# Altium PCB RK_NVR_DEMO1_RK3588_LP4XD200P232SD8_V21_20211228_final_lint.PcbDoc (part 29 of 29)
Units mm, origin at the board's own origin, x right, y up, seen from the top; angles counter-clockwise.
Board outline 170.08 x 169.98 mm, 8 copper layers (TOP, L2-GND1, L3-POWER1, L4-S1, L5-GND2, L6-S2, L7-GND3, BOTTOM), stack 2.118 mm thick; 1650 components, 1119 nets, 6165 pads, 15417 vias.
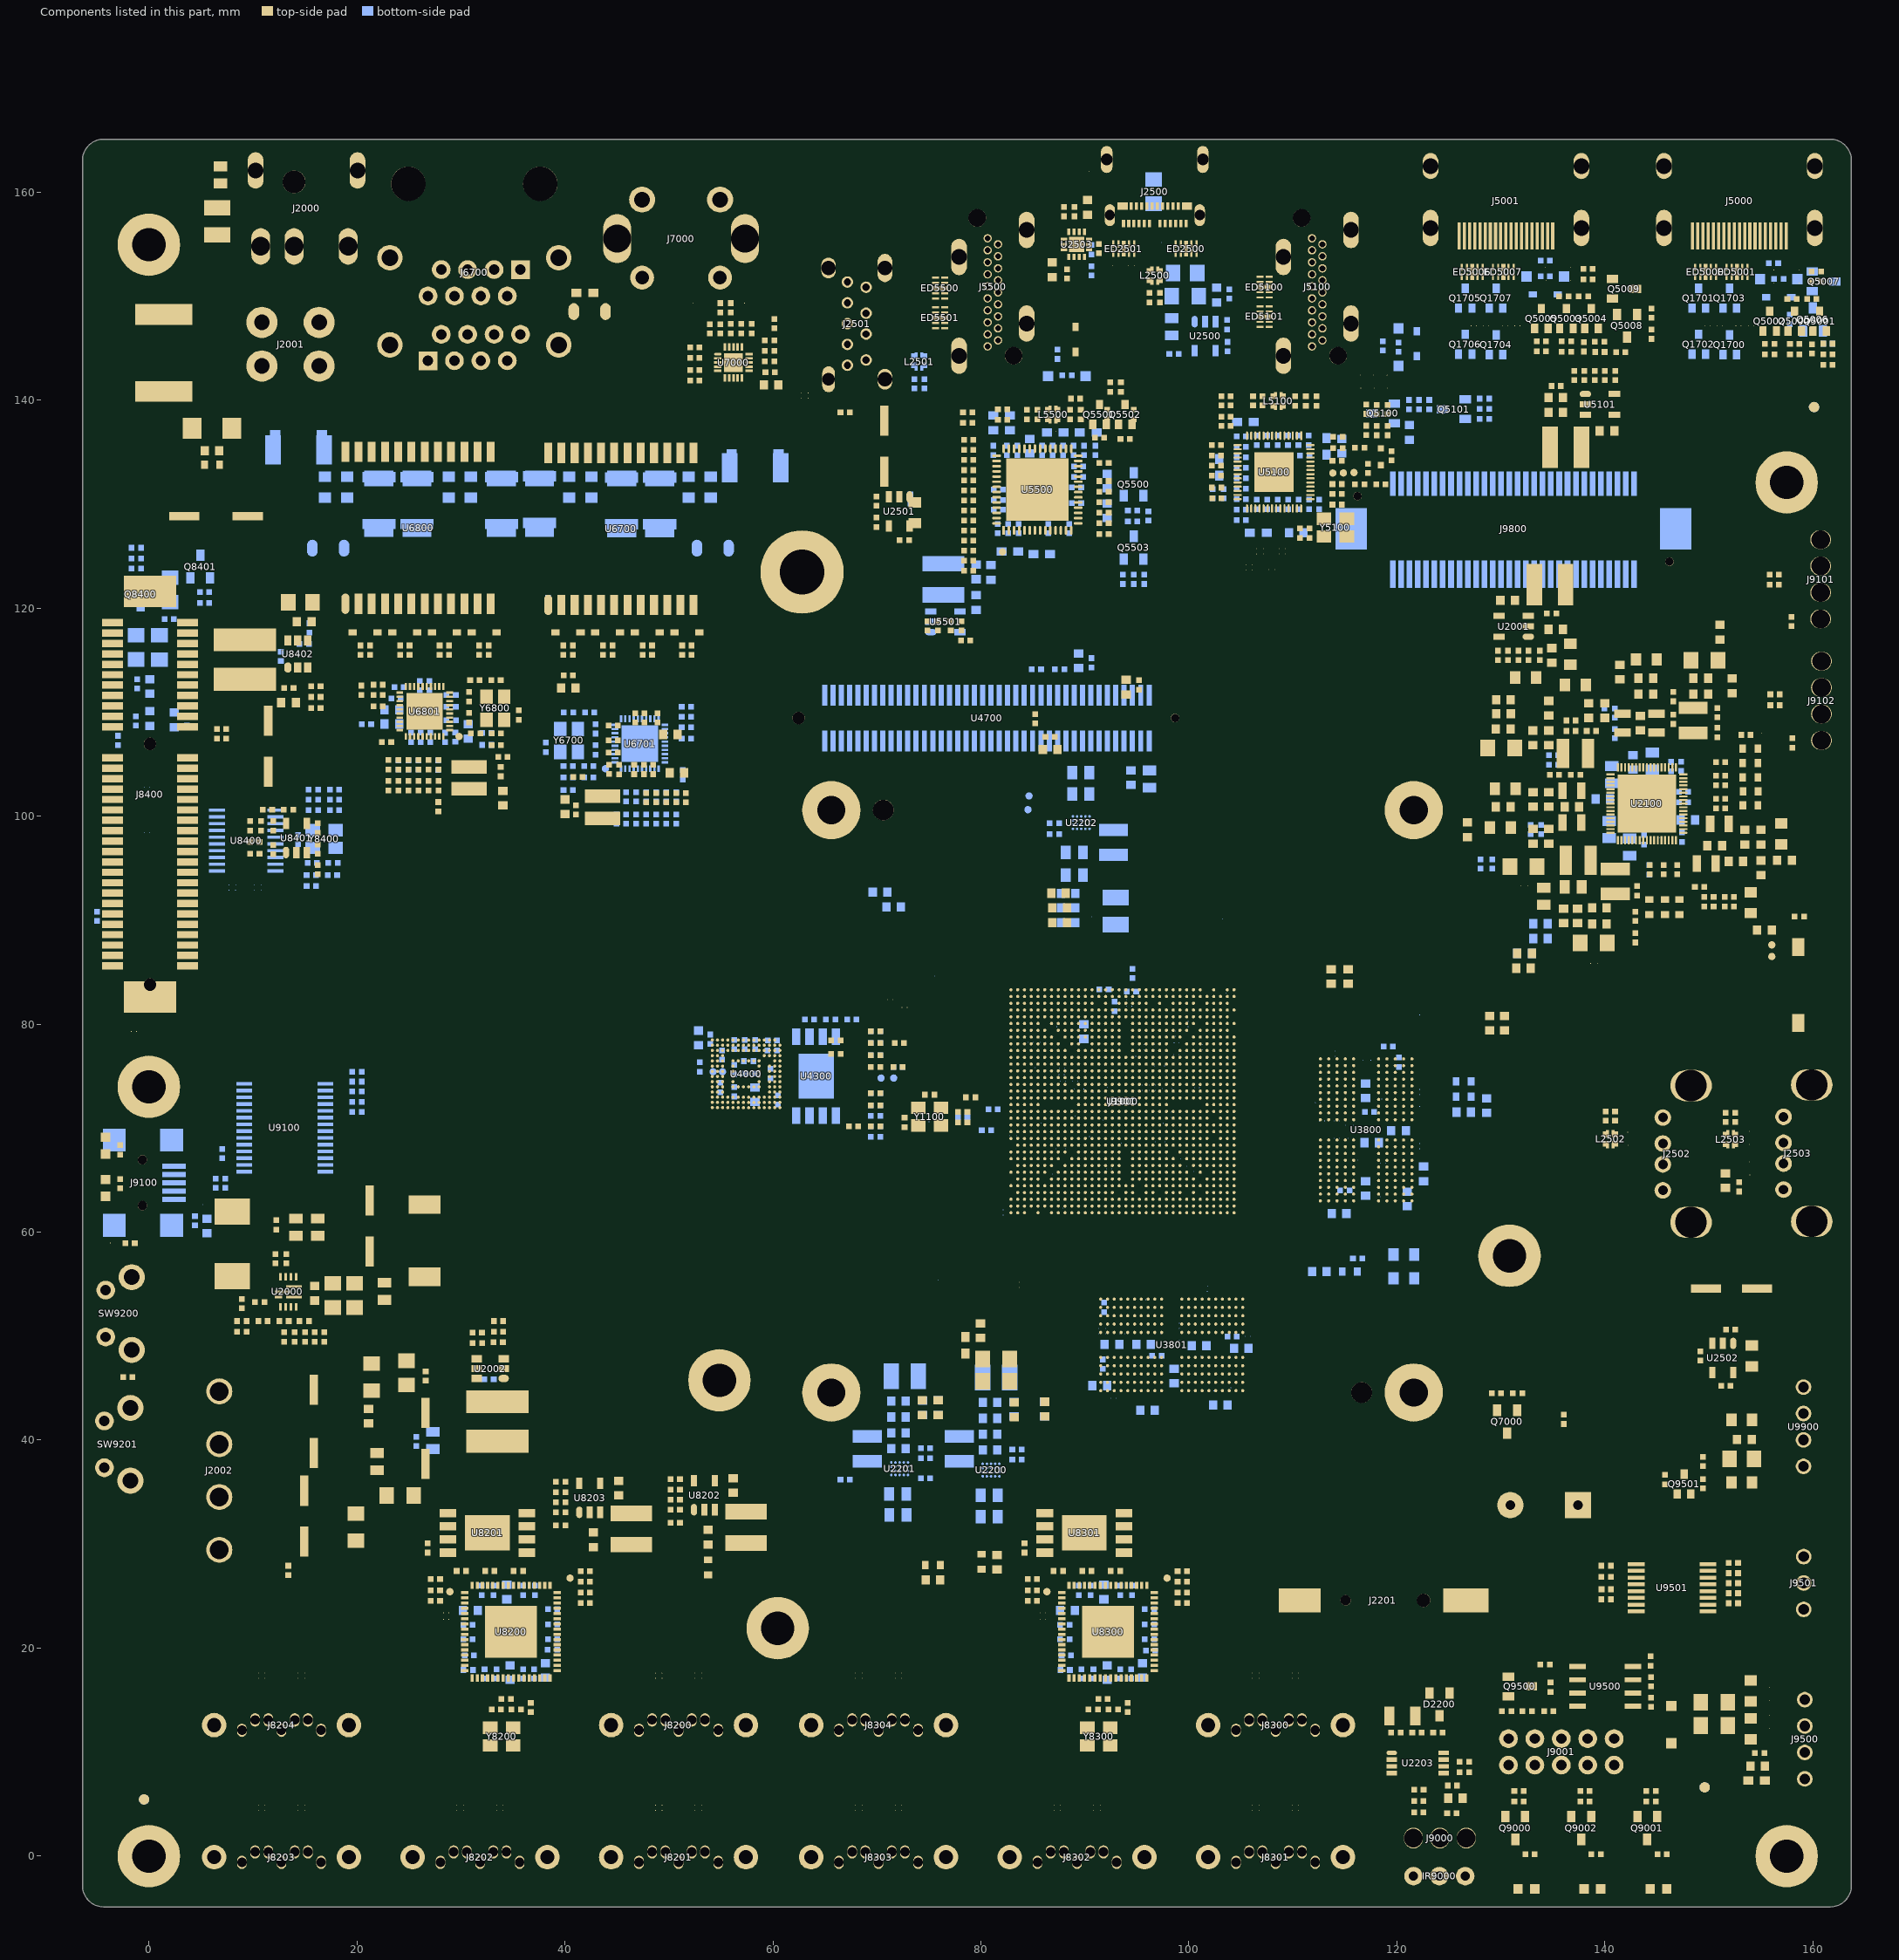
[diagram p35: the components of this part, seen from the top]

## Keep-outs (continued)
L7-GND3:
  region: 66.317,112.638 66.317,110.634 66.817,110.634 66.817,112.638
  region: 5.789,96.177 5.789,95.878 7.341,95.878 7.341,96.177
  region: 48.894,109.697 48.894,109.044 49.128,109.044 49.128,109.697
  region: -0.603,103.671 0.197,103.671 0.197,103.163 -0.603,103.163
  region: 66.317,108.236 66.317,106.232 66.817,106.232 66.817,108.236
  region: 5.789,94.872 5.789,94.572 7.341,94.572 7.341,94.872
  region: 72.926,147.401 72.926,146.762 73.564,146.762 73.564,147.401
  region: 6.161,64.535 6.161,63.984 6.71,63.984 6.71,64.535
  region: 87.931,127.929 88.734,127.929 88.734,128.129 87.931,128.129
  region: 5.786,96.825 5.786,96.525 7.338,96.525 7.338,96.825
  region: 45.694,109.697 45.694,109.044 45.927,109.044 45.927,109.697
  region: 7.443,92.729 7.443,93.529 7.951,93.529 7.951,92.729
  region: 65.518,108.237 65.518,106.233 66.019,106.233 66.019,108.237
  region: 77.517,108.24 77.517,106.236 78.018,106.236 78.018,108.24
  region: 73.273,143.63 73.273,143.079 73.825,143.079 73.825,143.63
  region: 74.291,142.292 74.291,141.742 74.843,141.742 74.843,142.292
  region: 74.183,144.578 74.183,144.072 74.484,144.072 74.484,144.578
  region: 6.158,65.423 6.158,64.872 6.707,64.872 6.707,65.423
  region: 73.633,143.325 73.633,142.819 73.933,142.819 73.933,143.325
  region: 46.892,109.697 46.892,109.044 47.126,109.044 47.126,109.697
  region: 5.789,95.525 5.789,95.225 7.341,95.225 7.341,95.525
  region: 77.517,112.639 77.517,110.635 78.018,110.635 78.018,112.639
  region: 67.919,108.235 67.919,106.231 68.419,106.231 68.419,108.235
  region: -0.603,103.036 0.197,103.036 0.197,102.528 -0.603,102.528
  region: 8.406,66.635 8.406,66.282 9.91,66.282 9.91,66.635
  region: 78.316,108.239 78.316,106.234 78.816,106.234 78.816,108.239
  region: 73.632,144.58 73.632,144.074 73.932,144.074 73.932,144.58
  region: 71.115,112.635 71.115,110.631 71.616,110.631 71.616,112.635
  region: 5.788,100.726 5.788,100.427 7.34,100.427 7.34,100.726
  region: 74.29,141.392 74.29,140.841 74.841,140.841 74.841,141.392
  region: 68.717,112.638 68.717,110.634 69.218,110.634 69.218,112.638
  region: 8.431,92.09 8.431,92.39 8.189,92.39 8.189,92.09
  region: -0.603,98.671 0.197,98.671 0.197,98.163 -0.603,98.163
  region: 75.119,112.637 75.119,110.632 75.62,110.632 75.62,112.637
  region: 7.983,102.913 7.983,103.213 7.742,103.213 7.742,102.913
  region: 10.532,92.729 10.532,93.529 11.04,93.529 11.04,92.729
  region: 8.078,92.729 8.078,93.529 8.586,93.529 8.586,92.729
  region: 72.719,112.637 72.719,110.632 73.22,110.632 73.22,112.637
  region: 68.717,108.233 68.717,106.229 69.218,106.229 69.218,108.233
  region: 71.115,108.239 71.115,106.234 71.616,106.234 71.616,108.239
  region: 75.918,112.635 75.918,110.631 76.419,110.631 76.419,112.635
  region: 70.316,112.637 70.316,110.632 70.817,110.632 70.817,112.637
  region: 74.291,144.529 74.291,143.979 74.843,143.979 74.843,144.529
  region: 75.117,108.24 75.117,106.236 75.617,106.236 75.617,108.24
  region: 10.292,92.09 10.292,92.39 10.051,92.39 10.051,92.09
  region: 65.518,112.639 65.518,110.635 66.019,110.635 66.019,112.639
  region: 72.922,149.076 72.922,148.441 73.562,148.441 73.562,149.076
  region: 8.552,102.911 8.552,103.211 8.311,103.211 8.311,102.911
  region: 75.916,108.239 75.916,106.234 76.416,106.234 76.416,108.239
  region: 73.325,142.294 73.325,141.744 73.877,141.744 73.877,142.294
  region: 74.182,143.325 74.182,142.819 74.483,142.819 74.483,143.325
  region: 5.789,100.076 5.789,99.777 7.341,99.777 7.341,100.076
  region: 73.272,144.531 73.272,143.98 73.823,143.98 73.823,144.531
  region: 72.719,108.24 72.719,106.236 73.22,106.236 73.22,108.24
  region: 47.294,109.697 47.294,109.044 47.527,109.044 47.527,109.697
  region: 7.06,64.535 7.06,63.984 7.609,63.984 7.609,64.535
  region: 73.323,141.392 73.323,140.842 73.875,140.842 73.875,141.392
  region: 78.316,112.638 78.316,110.634 78.816,110.634 78.816,112.638
  region: 8.224,101.772 8.224,102.572 8.732,102.572 8.732,101.772
  region: 7.837,92.09 7.837,92.39 7.596,92.39 7.596,92.09
  region: 70.316,108.24 70.316,106.236 70.817,106.236 70.817,108.24
  region: 48.493,109.699 48.493,109.046 48.726,109.046 48.726,109.699
  region: 4.84,65.829 4.84,65.194 5.48,65.194 5.48,65.829
  region: 8.406,65.987 8.406,65.631 9.91,65.631 9.91,65.987
  region: 1.272,65.012 1.272,64.491 3.575,64.491 3.575,65.012
  region: 67.92,112.638 67.92,110.634 68.42,110.634 68.42,112.638
  region: 4.84,64.214 4.84,63.576 5.475,63.576 5.475,64.214
  region: 73.518,108.239 73.518,106.234 74.018,106.234 74.018,108.239
  region: 45.292,109.7 45.292,109.048 45.526,109.048 45.526,109.7
  region: 74.288,143.63 74.288,143.079 74.839,143.079 74.839,143.63
  region: 7.589,101.772 7.589,102.572 8.097,102.572 8.097,101.772
  region: 47.695,109.699 47.695,109.046 47.929,109.046 47.929,109.699
  region: 73.518,112.635 73.518,110.631 74.018,110.631 74.018,112.635
  region: 46.494,109.697 46.494,109.044 46.727,109.044 46.727,109.697
  region: -0.603,98.036 0.197,98.036 0.197,97.528 -0.603,97.528
  region: 7.06,65.424 7.06,64.873 7.609,64.873 7.609,65.424
  region: 1.278,64.213 1.278,63.692 3.582,63.692 3.582,64.213
  region: 10.887,92.09 10.887,92.39 10.645,92.39 10.645,92.09
  region: 9.897,92.729 9.897,93.529 10.405,93.529 10.405,92.729
BOTTOM:
  region: 81.602,108.801 81.602,108.598 81.652,108.598 81.652,108.801
  region: 63.187,72.581 63.187,72.479 65.422,72.479 65.422,72.581
  region: 139.996,121.882 139.996,121.831 140.834,121.831 140.834,121.882
  region: 80.154,77.559 80.154,77.051 80.255,77.051 80.255,77.559
  region: 34.104,89.065 34.104,88.1 34.205,88.1 34.205,89.065
  region: 71.213,73.8 71.213,73.698 71.518,73.698 71.518,73.8
  region: 131.843,120.155 131.843,120.282 132.706,120.282 132.706,120.155
  region: 13.784,96.076 13.784,95.974 14.495,95.974 14.495,96.076
  region: 84.167,53.124 84.167,52.286 84.192,52.286 84.192,53.124
  region: 28.541,92.291 29.659,92.291 31.081,90.869 33.418,90.869 34.027,90.259 34.027,89.751 33.926,89.65 28.846,89.65 28.541,89.954
  region: 2.227,97.27 2.227,97.168 3.649,97.168 3.649,97.27
  region: 53.331,95.746 53.331,95.644 54.449,95.644 54.449,95.746
  region: 48.658,97.778 50.487,97.778 57.294,90.97 57.294,89.751 57.091,89.548 56.481,89.548 48.658,97.371
  region: 65.219,107.125 65.219,105.702 67.454,103.467 67.555,103.467 68.165,102.858 70.197,102.858 71.619,101.435 71.619,94.222 75.785,90.056 77.309,88.532 77.309,82.436 80.865,78.88 84.218,78.88 84.523,79.185 84.523,82.436 82.999,83.96 82.999,90.462 79.239,94.222 79.239,102.959 79.138,103.061 79.138,106.82 78.833,107.125
  region: 85.564,53.912 85.564,56.02 85.513,56.02 85.513,53.912
  region: 152.163,105.626 152.163,105.575 153.128,105.575 153.128,105.626
  region: 126.89,147.155 126.89,146.825 126.941,146.825 126.941,147.155
  region: 125.467,104.686 127.499,104.686 127.499,104.585 125.569,104.585
  region: 8.805,91.91 8.805,91.834 9.694,91.834 9.694,91.91
  region: 153.712,108.141 153.712,108.115 154.22,108.115 154.22,108.141
  region: 28.693,25.921 28.693,25.87 29.455,25.87 29.455,25.921
  region: 19.016,94.679 19.016,94.552 19.727,94.552 19.727,94.679
  region: 157.497,120.511 157.497,120.561 157.751,120.561 157.751,120.511
  region: 92.6,62.929 92.6,62.167 91.965,61.532 91.584,61.151 91.584,59.246 91.584,58.966 91.076,58.458 91.076,55.817 91.33,55.563 92.473,54.42 92.981,54.42 93.362,54.039 93.362,53.658 94.124,52.896 94.124,51.753 94.378,51.499 95.14,50.737 95.14,50.356 95.267,50.229 95.267,49.975 95.521,49.721 96.029,49.721 97.527,49.721 98.035,49.213 98.061,49.213 98.442,48.832 99.331,48.832 99.966,49.467 99.966,50.356 100.601,50.991 100.601,51.245 100.982,51.626 101.617,51.626 101.871,51.626 102.379,52.134 102.379,54.674 103.776,56.071 103.776,60.516 101.744,62.548 101.363,62.548 100.982,62.929 100.88,63.03 100.88,63.792 100.601,64.072 100.601,64.707 100.093,65.215 99.331,65.215 98.188,66.358 98.061,66.358 97.807,66.104 97.807,65.85 97.68,65.723 97.426,65.723 97.045,65.342 97.045,64.707 96.791,64.453 96.029,64.453 95.775,64.199 95.394,64.199 95.14,64.453 95.14,66.104 95.013,66.231 94.759,66.231 94.505,65.977 94.505,65.215 94.124,64.834 94.073,64.834 94.073,62.827 93.87,62.624 93.463,62.624 93.362,62.726 93.362,64.25 93.26,64.351 92.752,64.351 92.473,64.072 92.473,63.056
  region: 103.725,123.482 103.725,122.162 104.233,121.654 104.741,121.654 106.773,119.622 109.923,119.622 110.939,120.638 110.939,123.99 110.532,124.397 109.923,124.397 109.821,124.295 104.538,124.295
  region: 9.364,89.37 9.364,89.472 10.532,89.472 10.634,89.472 12.26,87.846 12.26,87.541 11.828,87.11 11.447,87.11 9.364,89.192
  region: 78.909,129.223 78.909,128.994 78.96,128.994 78.96,129.223
  region: 86.631,28.537 86.631,27.648 86.682,27.648 86.682,28.537
  region: 154.804,108.877 154.804,108.827 155.693,108.827 155.693,108.877
  region: 81.576,62.014 81.576,60.592 81.779,60.592 81.779,62.014
  region: 29.151,28.588 29.151,27.724 29.201,27.724 29.201,28.588
  region: 31.183,93.002 31.183,92.596 31.487,92.291 32.402,92.291 36.872,87.821 37.787,87.821 37.787,88.329 33.113,93.002
  region: 153.687,108.776 153.687,108.75 154.246,108.75 154.246,108.776
  region: 144.771,90.97 144.771,91.072 145.279,91.072 145.279,90.97
  region: 151.198,108.725 151.198,108.674 151.706,108.674 151.706,108.725
  region: 100.347,69.533 100.347,69.152 100.601,68.898 101.236,68.898 101.617,68.517 101.617,66.866 102.633,65.85 102.633,64.326 103.268,63.691 104.03,63.691 104.665,63.056 110.888,63.056 111.142,63.31 111.142,65.977 111.269,66.104 114.063,66.104 114.825,66.866 115.206,66.866 115.333,66.993 115.587,66.993 115.841,67.247 115.841,67.755 116.095,68.009 116.222,68.009 116.349,68.136 116.349,69.279 116.349,70.041 116.476,70.168 116.476,71.565 115.714,72.327 114.317,72.327 113.936,72.708 113.936,73.343 113.809,73.47 112.92,73.47 112.666,73.216 111.142,73.216 110.888,73.47 110.888,73.851 110.126,74.613 108.348,74.613 107.459,73.724 105.046,73.724 104.157,72.835 104.157,71.946 103.903,71.692 103.395,71.692 102.76,71.057 101.617,71.057 100.982,70.422 100.982,70.168
  region: 141.292,134.481 141.292,133.871 141.419,133.871 141.419,134.481
  region: 61.663,80.302 61.663,79.693 61.764,79.693 61.764,80.302
  region: 149.343,147.181 149.343,146.8 149.369,146.8 149.369,147.181
  region: 57.802,92.291 57.802,91.275 57.903,91.275 57.903,92.291
  region: 148.937,78.372 148.937,78.27 150.258,78.27 150.258,78.372
  region: 131.97,96.863 131.97,98.082 131.868,98.082 131.868,96.863
  region: 129.862,64.707 129.862,64.554 132.732,64.554 132.732,64.707
  region: 78.325,61.1 78.325,60.998 78.935,60.998 78.935,61.1
  region: 71.238,70.981 71.238,70.32 71.289,70.32 71.289,70.981
  region: 71.823,73.089 71.823,72.987 72.229,72.987 72.229,73.089
  region: 14.393,102.553 14.393,102.223 14.444,102.223 14.444,102.553
  region: 65.32,79.693 65.32,79.591 65.523,79.591 65.523,79.693
  region: 31.741,83.757 31.741,82.563 31.919,82.563 31.919,83.757
  region: 14.927,88.126 14.927,86.398 15.028,86.398 15.028,88.126
  region: 68.063,37.224 68.063,37.021 68.47,36.614 68.571,36.614 68.165,37.021 68.165,37.224
  region: 28.414,85.205 28.414,85.23 28.871,85.23 28.871,85.205
  region: 139.361,120.434 139.361,119.977 139.387,119.977 139.387,120.434
  region: 132.757,121.857 132.757,120.968 132.783,120.968 132.783,121.857
  region: 95.292,81.217 95.292,82.233 95.597,82.538 95.597,84.366 96.308,85.078 96.308,85.382 96.003,85.687 96.003,98.59 100.474,103.061 100.474,112.51 97.019,115.964 97.019,117.59 96.715,117.894 96.715,120.028 97.121,120.434 104.03,120.434 105.96,118.504 105.96,96.863 101.998,92.901 101.998,87.821 102.811,87.008 102.811,83.452 102.099,82.741 101.49,82.741 100.982,83.249 100.982,86.398 100.271,87.11 100.271,93.206 104.741,97.676 104.741,101.537 104.436,101.842 103.623,101.842 99.153,97.371 99.153,94.933 99.661,94.425 99.661,93.815 99.458,93.612 99.458,83.96 99.559,83.858 99.559,82.639 98.645,81.725 97.324,81.725 97.019,82.03 96.613,82.03 95.8,81.217
  region: 7.205,94.222 7.205,93.815 7.51,93.815 7.51,94.222
  region: 78.935,77.051 78.935,76.137 79.036,76.137 79.036,77.051
  region: 142.409,121.806 142.409,121.527 142.435,121.527 142.435,121.806
  region: 147.718,104.686 147.718,104.077 147.819,104.077 147.819,104.686
  region: 78.122,73.8 78.122,73.19 78.223,73.19 78.223,73.8
  region: 44.289,53.074 62.374,53.074 62.475,52.972 62.475,52.261 62.272,52.058 44.086,52.058 43.883,52.261 43.883,52.667
  region: 86.123,25.921 86.123,25.819 86.834,25.819 86.834,25.921
  region: 143.781,124.016 143.781,121.527 143.832,121.527 143.832,124.016
  region: 80.357,77.966 80.357,77.864 80.967,77.864 80.967,77.966
Multi-Layer:
  region: 15.436,88.554 cw(c15.06,88.491) 14.685,88.424 14.685,88.503 14.679,88.508 14.679,89.051 14.679,89.062 cw(c15.06,89.056) 15.436,88.995
  region: -1.227,102.879 cw(c-1.602,102.817) -1.978,102.75 -1.978,102.828 -1.983,102.834 -1.983,103.377 -1.983,103.387 cw(c-1.602,103.382) -1.227,103.321
  region: -1.227,97.879 cw(c-1.602,97.817) -1.978,97.75 -1.978,97.828 -1.983,97.834 -1.983,98.377 -1.983,98.387 cw(c-1.602,98.382) -1.227,98.321
  region: 12.54,86.598 cw(c12.164,86.536) 11.789,86.468 11.789,86.547 11.784,86.553 11.784,87.095 11.784,87.106 cw(c12.164,87.101) 12.54,87.039
  region: 8.402,104.942 cw(c8.465,104.566) 8.532,104.191 8.453,104.191 8.448,104.185 7.905,104.185 7.895,104.185 cw(c7.9,104.566) 7.961,104.942
  region: 11.245,87.589 cw(c10.869,87.526) 10.494,87.459 10.494,87.538 10.488,87.543 10.488,88.086 10.488,88.096 cw(c10.869,88.091) 11.245,88.03
  region: 97.757,118.45 97.732,118.577 97.66,118.684 97.553,118.756 97.426,118.781 97.299,118.756 97.263,118.732 97.191,118.684 97.12,118.577 97.094,118.45 97.12,118.323 97.191,118.215 97.263,118.168 97.299,118.144 97.426,118.118 97.553,118.144 97.66,118.215 97.732,118.323 97.757,118.45
  region: 104.666,118.901 104.641,119.028 104.569,119.135 104.461,119.207 104.335,119.232 104.208,119.207 104.172,119.183 104.1,119.135 104.028,119.028 104.003,118.901 104.028,118.774 104.1,118.667 104.172,118.619 104.208,118.595 104.335,118.569 104.461,118.595 104.569,118.667 104.641,118.774 104.666,118.901
  region: 104.666,119.403 104.641,119.529 104.569,119.637 104.461,119.709 104.335,119.734 104.208,119.709 104.172,119.685 104.1,119.637 104.028,119.529 104.003,119.403 104.028,119.276 104.1,119.168 104.172,119.12 104.208,119.096 104.335,119.071 104.461,119.096 104.569,119.168 104.641,119.276 104.666,119.403
  region: 99.945,119.215 99.92,119.342 99.848,119.45 99.74,119.521 99.613,119.547 99.487,119.521 99.451,119.497 99.379,119.45 99.307,119.342 99.282,119.215 99.307,119.088 99.379,118.981 99.451,118.933 99.487,118.909 99.613,118.884 99.74,118.909 99.848,118.981 99.92,119.088 99.945,119.215
  region: 144.67,38.85 144.67,38.24 145.787,38.24 145.787,38.85
  region: 107.197,120.231 107.171,120.358 107.1,120.466 106.992,120.537 106.865,120.563 106.738,120.537 106.702,120.513 106.631,120.466 106.559,120.358 106.534,120.231 106.559,120.104 106.631,119.997 106.702,119.949 106.738,119.925 106.865,119.9 106.992,119.925 107.1,119.997 107.171,120.104 107.197,120.231
  region: 110.045,120.333 110.02,120.46 109.948,120.567 109.84,120.639 109.713,120.664 109.586,120.639 109.55,120.615 109.479,120.567 109.407,120.46 109.382,120.333 109.407,120.206 109.479,120.098 109.55,120.051 109.586,120.026 109.713,120.001 109.84,120.026 109.948,120.098 110.02,120.206 110.045,120.333
  region: 106.292,121.857 106.266,121.984 106.195,122.091 106.087,122.163 105.96,122.188 105.833,122.163 105.797,122.139 105.726,122.091 105.654,121.984 105.629,121.857 105.654,121.73 105.726,121.623 105.797,121.575 105.833,121.551 105.96,121.526 106.087,121.551 106.195,121.623 106.266,121.73 106.292,121.857
  region: 110.254,122.187 110.229,122.314 110.157,122.421 110.049,122.493 109.923,122.518 109.796,122.493 109.76,122.469 109.688,122.421 109.616,122.314 109.591,122.187 109.616,122.06 109.688,121.953 109.76,121.905 109.796,121.881 109.923,121.855 110.049,121.881 110.157,121.953 110.229,122.06 110.254,122.187
  region: 109.752,122.187 109.727,122.314 109.655,122.421 109.548,122.493 109.421,122.518 109.294,122.493 109.258,122.469 109.187,122.421 109.115,122.314 109.089,122.187 109.115,122.06 109.187,121.953 109.258,121.905 109.294,121.881 109.421,121.855 109.548,121.881 109.655,121.953 109.727,122.06 109.752,122.187
  region: 52.011,141.161 52.417,140.754 52.519,140.653 54.246,140.653 55.465,139.434 56.227,138.672 58.564,138.672 59.834,137.402 59.834,135.065 59.834,131.509 59.834,129.68 59.834,129.07 59.834,128.562 59.631,128.359 59.123,128.359 58.513,128.359 55.262,128.359 55.16,128.258 55.16,126.734 55.16,122.873 54.83,122.543 24.604,122.543 16.451,122.543 16.247,122.746 16.247,126.734 13.098,126.734 12.691,127.14 12.691,138.316 12.691,139.434 15.028,141.77 16.146,141.77 17.263,141.77 17.975,142.482 17.975,147.968 17.924,148.019 17.924,152.896 18.076,153.048 19.6,153.048 20.108,153.556 20.108,155.994 19.245,156.858 18.889,157.214 18.889,159.855 19.295,160.262 19.6,160.262 20.108,160.262 20.311,160.262 20.819,160.77 20.819,166.358 22.445,166.358 41.698,166.358 43.781,166.358 45.407,166.358 46.219,166.358 47.337,166.358 48.658,166.358 48.658,162.294 47.337,160.973 46.219,159.855 46.219,158.636 46.727,158.128 46.727,153.353 44.594,151.219 43.959,151.219 42.435,151.219 42.257,151.041 42.257,149.898 42.867,149.898 43.375,149.39 43.375,147.866 43.781,147.46 45.711,147.46 51.198,141.974
  region: 138.574,88.507 138.574,87.237 139.336,87.237 139.336,88.507
  region: 105.79,121.857 105.765,121.984 105.693,122.091 105.585,122.163 105.459,122.188 105.332,122.163 105.296,122.139 105.224,122.091 105.152,121.984 105.127,121.857 105.152,121.73 105.224,121.623 105.296,121.575 105.332,121.551 105.459,121.526 105.585,121.551 105.693,121.623 105.765,121.73 105.79,121.857
  region: 100.447,119.215 100.421,119.342 100.35,119.45 100.242,119.521 100.115,119.547 99.988,119.521 99.952,119.497 99.881,119.45 99.809,119.342 99.784,119.215 99.809,119.088 99.881,118.981 99.952,118.933 99.988,118.909 100.115,118.884 100.242,118.909 100.35,118.981 100.421,119.088 100.447,119.215
  region: 110.457,123.397 110.432,123.523 110.36,123.631 110.253,123.703 110.126,123.728 109.999,123.703 109.963,123.679 109.891,123.631 109.82,123.523 109.794,123.397 109.82,123.27 109.891,123.162 109.963,123.114 109.999,123.09 110.126,123.065 110.253,123.09 110.36,123.162 110.432,123.27 110.457,123.397
  region: 104.657,122.568 104.631,122.695 104.56,122.802 104.452,122.874 104.325,122.899 104.198,122.874 104.162,122.85 104.091,122.802 104.019,122.695 103.994,122.568 104.019,122.441 104.091,122.334 104.162,122.286 104.198,122.262 104.325,122.236 104.452,122.262 104.56,122.334 104.631,122.441 104.657,122.568
  region: 109.543,120.333 109.518,120.46 109.446,120.567 109.338,120.639 109.212,120.664 109.085,120.639 109.049,120.615 108.977,120.567 108.905,120.46 108.88,120.333 108.905,120.206 108.977,120.098 109.049,120.051 109.085,120.026 109.212,120.001 109.338,120.026 109.446,120.098 109.518,120.206 109.543,120.333
  region: 105.158,122.568 105.133,122.695 105.061,122.802 104.954,122.874 104.827,122.899 104.7,122.874 104.664,122.85 104.592,122.802 104.521,122.695 104.495,122.568 104.521,122.441 104.592,122.334 104.664,122.286 104.7,122.262 104.827,122.236 104.954,122.262 105.061,122.334 105.133,122.441 105.158,122.568
  region: 107.698,120.231 107.673,120.358 107.601,120.466 107.494,120.537 107.367,120.563 107.24,120.537 107.204,120.513 107.132,120.466 107.061,120.358 107.035,120.231 107.061,120.104 107.132,119.997 107.204,119.949 107.24,119.925 107.367,119.9 107.494,119.925 107.601,119.997 107.673,120.104 107.698,120.231
  region: 72.229,46.774 72.229,45.555 72.94,45.555 72.94,46.774
  region: 110.457,123.898 110.432,124.025 110.36,124.133 110.253,124.204 110.126,124.23 109.999,124.204 109.963,124.18 109.891,124.133 109.82,124.025 109.794,123.898 109.82,123.771 109.891,123.664 109.963,123.616 109.999,123.592 110.126,123.567 110.253,123.592 110.36,123.664 110.432,123.771 110.457,123.898
  region: 97.757,117.948 97.732,118.075 97.66,118.183 97.553,118.254 97.426,118.28 97.299,118.254 97.263,118.23 97.191,118.183 97.12,118.075 97.094,117.948 97.12,117.821 97.191,117.714 97.263,117.666 97.299,117.642 97.426,117.617 97.553,117.642 97.66,117.714 97.732,117.821 97.757,117.948

## Other copper
TOP:
  pour cut-out: 92.256,110.825 92.184,110.825 92.169,110.841 ccw(c91.163,109.866) 92.152,110.858 90.15,112.86 cw(c90.222,112.932) 90.199,113.031 ccw(c90.111,113.424) 90.495,113.303 ccw(c90.543,113.703) 90.583,113.303 cw(c90.588,113.252) 90.639,113.258 ccw(c92.024,113.406) 91.039,112.422 92.174,111.287 cw(c91.974,111.087) 92.256,111.087
  pour cut-out: 115.905,111.953 cw(c115.865,111.984) 115.817,112 cw(c116.572,111.753) 116.01,112.314 131.149,127.453 cw(c131.404,127.198) 131.404,127.559 131.508,127.559 131.508,127.48 131.484,127.465 ccw(c132.533,125.763) 131.12,127.177 116.061,112.119 115.988,112.046 ccw(c116.742,111.29)
  pour cut-out: 89.036,116.852 89.163,116.725 cw(c88.808,116.37) 89.31,116.37 89.31,115.659 ccw(c90.772,115.659) 89.738,114.626 90.245,114.119 cw(c90.173,114.047) 90.247,113.978 ccw(c90.542,113.703) 90.158,113.824 ccw(c90.111,113.424) 89.888,113.76 cw(c89.86,113.802) 89.82,113.771 ccw(c89.501,113.526) 89.461,113.926 ccw(c88.443,113.687) 89.182,114.426 89.082,114.526 89.082,116.167 ccw(c87.157,116.167) 88.987,116.765 88.977,116.794
  pour cut-out: 108.919,125.428 108.919,124.309 cw(c108.817,124.309) 108.746,124.237 108.594,124.389 cw(c108.726,124.521) 108.539,124.521 108.539,125.636 108.57,125.649 ccw(c108.402,126.039) 108.655,125.698 ccw(c109.419,126.326) 108.719,125.628
  pour cut-out: 96.19,148.741 96.19,145.072 cw(c96.088,145.072) 96.016,145 95.868,145.149 95.868,148.741
  pour cut-out: 145.35,-3.619 144.955,-3.619 144.955,-2.543 144.356,-2.543 144.356,0.898 144.598,0.898 cw(c144.598,0.797) 144.699,0.797 ccw(c145.052,0.799) 144.708,0.722 cw(c144.609,0.7) 144.625,0.6 144.625,-0.257 145.673,-0.257 145.673,-2.543 145.35,-2.543
  pour cut-out: 110.222,97.059 cw(c110.171,97.059) 110.133,97.025 ccw(c109.82,96.746) 110.118,97.042 110.063,97.097 110.063,113.935 cw(c111.416,113.935) 110.299,114.698 cw(c110.341,114.669) 110.386,114.647 ccw(c111.859,113.931) 110.222,113.932
  pour cut-out: 99.238,100.78 99.155,100.698 cw(c99.119,100.734) 99.068,100.734 99.068,106.182 98.459,106.792 98.459,108.778 cw(c98.56,108.778) 98.577,108.878 ccw(c98.67,109.436) 99.065,109.032 cw(c99.136,108.959) 99.238,108.959
  pour cut-out: 90.602,110.826 cw(c90.53,110.754) 90.539,110.653 ccw(c90.57,110.302) 90.356,110.582 90.321,110.556 89.514,111.362 89.514,111.612 ccw(c88.4,111.607) 89.513,111.666 cw(c89.614,111.671) 89.686,111.742
BOTTOM:
  region net VDD10_PHY1: 25.417,113.475 27.576,113.475 27.703,113.348 27.703,112.84 27.525,112.662 27.333,112.662 27.333,112.672 25.549,112.672 25.549,112.662 25.468,112.662 25.29,112.84 25.29,113.348

## Silkscreen, mask and mechanical layers (free items; w line width, h text height)
Top Overlay:
  drawing of 158 lines, arcs and shapes, not listed
  text "USB3.0" at 62.374,159.754 h0.79 r90
  text "HOST2" at 63.593,159.754 h0.79 r90
  text "TYPEC0" at 104.03,156.706 h1.27 r90
  text "DC 12V" at 9.339,156.096 h1.27 r90
  text "HDMI1.4 TX" at 76.699,152.337 h1.27 r90
  text "HDMI2.0 TX" at 107.789,152.337 h1.27 r90
  text "HDMI2.1 TX1" at 121.607,151.118 h1.27 r90
  text "HDMI2.1 TX0" at 144.568,151.067 h1.27 r90
  text "Line OUT" at 52.62,150 h0.79
  text "Line IN" at 44.391,149.797 h0.79
  text "LAN1" at 21.937,147.663 h1.27 r90
  text "LAN0" at 22.547,138.214 h1.27 r90
  text "12V" at 9.237,138.113 h1.27
  text "GND" at 14.927,138.113 h1.27
  text "GND" at 159.205,125.66 h0.79 r90
  text "TCK" at 159.205,123.019 h0.79 r90
  text "TMS" at 159.205,120.58 h0.79 r90
  text "ARM_JTAG" at 163.322,119.215 h0.79 r90
  text "3V3" at 159.205,117.634 h0.79 r90
  text "1V1_NLDO" at 138.269,117.386 h0.79 r90
  text "VCC_1V8" at 143.451,116.37 h0.79 r90
  text "VDD_VDENC" at 152.899,115.354 h0.79 r90
  text "GND" at 159.205,113.976 h0.79 r90
  text "VDD2_DDR" at 139.996,111.798 h0.79 r90
  text "TCK" at 159.205,111.335 h0.79 r90
  text "3V3_PCIE" at 5.402,111.028 h0.79
  text "TMS" at 159.205,108.896 h0.79 r90
  text "MCU_JTAG" at 163.322,107.01 h0.79 r90
  text "CPU_LIT" at 122.419,106.862 h0.79
  text "3V3" at 159.205,105.95 h0.79 r90
  text "2V0_PLDO" at 127.66,100.216 h0.79 r90
  text "1V0_PHY1" at 28.541,99.344 h0.79
  text "1V0_PHY0" at 38.803,97.718 h0.79
  text "VCC_3V3" at 159.097,96.863 h0.79 r90
  text "VDD_DDR" at 129.489,92.482 h0.79 r90
  text "VDD_GPU" at 130.607,88.519 h0.79 r90
  text "VDDQ_DDR" at 153.611,83.554 h0.79 r90
  text "VDD_LOGIC" at 136.44,81.725 h0.79 r90
  text "MaskROM" at 162.551,79.286 h1.27 r90
  text "PCIE3.0x4Lanes" at 1.515,78.575 h1.27
  text "USB20 HOST1" at 147.311,76.34 h1.27
  text "USB20 OTG1" at 132.071,76.035 h1.27
  text "Only HOST" at 132.071,73.775 h1.27
  text "POWER LED" at -3.158,69.33 h1.27
  text "DEBUG LED" at -2.218,64.698 h1.27
  text "RECOVERY" at 1.871,47.079 h1.27 r90
  text "RESET" at 1.871,36.64 h1.27 r90
  text "FAN" at 157.268,32.754 h1.27
  text "3V3_SATAPM0" at 54.728,28.224 h0.79
  text "1V2_SATAPM0" at 42.79,28.021 h0.79
  text "VCC5V0_SYS" at 23.055,25.743 h0.79 r90
  text "12V" at 5.173,23.61 h1.27
  text "GND" at 5.275,21.679 h1.27
  text "SATA POWER" at 2.125,21.273 h1.27 r90
  text "GND" at 5.275,19.952 h1.27
  text "RS232" at 156.76,19.139 h1.27
  text "5V" at 5.376,18.123 h1.27
  text "SATA PM0_4" at 9.186,7.557 h0.79
  text "SATA PM0_1" at 47.108,7.557 h0.79
  text "SATA PM1_4" at 66.59,7.557 h0.79
  text "SATA PM1_1" at 104.512,7.557 h0.79
  text "RS485" at 155.541,3.188 h1.27
  text "IR" at 118.355,-1.968 h1.27
  text "Work" at 130.128,-1.968 h1.27
  text "Net" at 136.732,-1.968 h1.27
  text "HDD" at 143.235,-1.968 h1.27
  text "SATA PM0_3" at 9.186,-4.644 h0.79
  text "SATA PM0_0" at 27.957,-4.644 h0.79
  text "SATA PM0_2" at 47.108,-4.644 h0.79
  text "SATA PM1_3" at 66.59,-4.644 h0.79
  text "SATA PM1_0" at 85.361,-4.644 h0.79
  text "SATA PM1_2" at 104.512,-4.644 h0.79
Bottom Overlay:
  lines w0.127: 54.754,74.613 54.957,74.816
  text "PowrerMeterage" at 139.006,134.836 h1.27
  text "MIPI CSI RX" at 84.243,113.602 h1.27
  text "VDD NPU" at 92.447,87.516 h0.79
  text "FSPI_CLK" at 78.223,74.41 h0.79
  text "EMMC_CLK" at 54.652,73.902 h0.79
  text "FSPI" at 66.666,67.374 h1.27
  text "DEBUG" at 12.488,62.116 h1.27
  text "USB TO UART2" at 21.48,60.465 h1.27
  text "RECOVERY" at 4.259,51.346 h1.27
  text "12V" at 11.98,44.133 h1.27
  text "VDD CPU BIG1" at 69.181,41.186 h0.79 r270
  text "VDD CPU BIG0" at 77.614,41.186 h0.79 r270
  text "RESET" at 0.372,38.951 h1.27
  text "GND" at 11.98,38.85 h1.27
  text "GND" at 11.98,33.871 h1.27
  text "5V" at 10.685,28.791 h1.27
DESIGN_OUTLINE:
  the board outline again, w0.025
20210810-1DXF:
  drawing of 1449 lines, arcs and shapes, not listed
DXF_0825:
  drawing of 1428 lines, arcs and shapes, not listed
DRAWING_ORIGIN:
  lines w0.025: 81.551,82.741 82.821,82.741 ; 82.186,82.106 82.186,83.376
DETAILS:
  drawing of 12522 lines, arcs and shapes, not listed
Mechanical 255:
  drawing of 295 lines, arcs and shapes, not listed

## Text inside footprints (layer, text, board x,y; h text height)
BP7000: PIN_NUMBER "2" at 130.802,33.748 h0.25 r180; PIN_NUMBER "1" at 137.302,33.748 h0.25 r180; Top Overlay "BEEP" at 137.404,38.828 h0.69 r180; ASSEMBLY_TOP "BEEP" at 136.997,33.621 h0.25
C1000: PIN_NUMBER "2" at 104.144,91.11 h0.25 r45; PIN_NUMBER "1" at 103.154,90.12 h0.25 r45; ASSEMBLY_TOP "22uF" at 103.344,90.488 h0.25 r180
C1001: PIN_NUMBER "2" at 95.445,78.038 h0.64; PIN_NUMBER "1" at 95.445,77.538 h0.64 r180; ASSEMBLY_TOP "100nF" at 95.317,77.788 h0.25 r270
C1002: PIN_NUMBER "2" at 96.41,78.038 h0.64; PIN_NUMBER "1" at 96.41,77.538 h0.64 r180; ASSEMBLY_TOP "100nF" at 96.283,77.788 h0.25 r270
C1003: PIN_NUMBER "2" at 132.873,86.805 h0.25; PIN_NUMBER "1" at 131.473,86.805 h0.25; ASSEMBLY_TOP "22uF" at 131.868,86.678 h0.25 r180
C1004: PIN_NUMBER "2" at 97.581,75.98 h0.2; PIN_NUMBER "1" at 96.641,75.98 h0.2; ASSEMBLY_TOP "10uF" at 96.785,75.853 h0.25 r180
C1005: PIN_NUMBER "2" at 94.73,74.397 h0.2 r270; PIN_NUMBER "1" at 94.73,75.337 h0.2 r270; ASSEMBLY_TOP "10uF" at 94.53,74.867 h0.25 r270
C1006: PIN_NUMBER "2" at 94.412,76.137 h0.64 r90; PIN_NUMBER "1" at 94.912,76.137 h0.64 r270; ASSEMBLY_TOP "1uF" at 94.611,76.01 h0.25 r180
C1007: PIN_NUMBER "2" at 94.806,77.849 h0.2 r90; PIN_NUMBER "1" at 94.806,76.909 h0.2 r90; ASSEMBLY_TOP "4.7uF" at 94.505,77.379 h0.25 r270
C1010: PIN_NUMBER "2" at 92.459,70.402 h0.64 r90; PIN_NUMBER "1" at 92.959,70.402 h0.64 r270; ASSEMBLY_TOP "100nF" at 92.455,70.275 h0.25 r180
C1013: PIN_NUMBER "2" at 93.755,72.806 h0.64; PIN_NUMBER "1" at 93.755,72.305 h0.64 r180; ASSEMBLY_TOP "1uF" at 93.832,72.555 h0.25 r270
C1014: PIN_NUMBER "2" at 94.919,70.409 h0.64 r270; PIN_NUMBER "1" at 94.419,70.409 h0.64 r90; ASSEMBLY_TOP "1uF" at 94.619,70.282 h0.25 r180
C1015: PIN_NUMBER "2" at 93.448,68.559 h0.2 r270; PIN_NUMBER "1" at 93.448,69.498 h0.2 r270; ASSEMBLY_TOP "4.7uF" at 93.147,69.029 h0.25 r270
C1016: PIN_NUMBER "2" at 94.726,72.704 h0.2 r90; PIN_NUMBER "1" at 94.726,71.764 h0.2 r90; ASSEMBLY_TOP "10uF" at 94.526,72.234 h0.25 r270
C1017: PIN_NUMBER "2" at 91.631,70.776 h0.2 r90; PIN_NUMBER "1" at 91.631,69.836 h0.2 r90; ASSEMBLY_TOP "10uF" at 91.431,70.306 h0.25 r270
C1018: PIN_NUMBER "2" at 86.021,42.29 h0.25 r270; PIN_NUMBER "1" at 86.021,43.69 h0.25 r270; ASSEMBLY_TOP "22uF" at 85.843,42.99 h0.25 r270
C1019: PIN_NUMBER "2" at 83.1,42.214 h0.25 r270; PIN_NUMBER "1" at 83.1,43.614 h0.25 r270; ASSEMBLY_TOP "22uF" at 82.668,42.914 h0.25 r270
C1020: PIN_NUMBER "2" at 97.524,77.559 h0.64 r270; PIN_NUMBER "1" at 97.023,77.559 h0.64 r90; ASSEMBLY_TOP "1uF" at 97.223,77.432 h0.25 r180
C1022: PIN_NUMBER "2" at 94.919,71.031 h0.64 r270; PIN_NUMBER "1" at 94.419,71.031 h0.64 r90; ASSEMBLY_TOP "100nF" at 94.415,70.904 h0.25 r180
C1023: PIN_NUMBER "2" at 92.459,71.031 h0.64 r90; PIN_NUMBER "1" at 92.959,71.031 h0.64 r270; ASSEMBLY_TOP "1uF" at 92.658,70.904 h0.25 r180
C1024: PIN_NUMBER "2" at 88.612,67.124 h0.64 r180; PIN_NUMBER "1" at 88.612,67.624 h0.64; ASSEMBLY_TOP "100nF" at 88.485,67.374 h0.25 r270
C1025: PIN_NUMBER "2" at 88.554,69.736 h0.64 r90; PIN_NUMBER "1" at 89.054,69.736 h0.64 r270; ASSEMBLY_TOP "100nF" at 88.549,69.609 h0.25 r180
C1027: PIN_NUMBER "2" at 88.554,69.126 h0.64 r90; PIN_NUMBER "1" at 89.054,69.126 h0.64 r270; ASSEMBLY_TOP "1uF" at 88.753,68.999 h0.25 r180
C1028: PIN_NUMBER "2" at 88.554,70.346 h0.64 r90; PIN_NUMBER "1" at 89.054,70.346 h0.64 r270; ASSEMBLY_TOP "1uF" at 88.753,70.219 h0.25 r180
C1029: PIN_NUMBER "2" at 90.361,70.126 h0.2 r90; PIN_NUMBER "1" at 90.36,69.186 h0.2 r90; ASSEMBLY_TOP "4.7uF" at 90.06,69.656 h0.25 r270
C1030: PIN_NUMBER "2" at 90.371,67.373 h0.2; PIN_NUMBER "1" at 89.431,67.373 h0.2; ASSEMBLY_TOP "10uF" at 89.574,67.246 h0.25 r180
C1031: PIN_NUMBER "2" at 89.652,71.821 h0.2 r45; PIN_NUMBER "1" at 88.987,71.156 h0.2 r45; ASSEMBLY_TOP "10uF" at 88.993,71.362 h0.25 r180
C1032: PIN_NUMBER "2" at 75.785,42.417 h0.25 r270; PIN_NUMBER "1" at 75.785,43.817 h0.25 r270; ASSEMBLY_TOP "22uF" at 75.607,43.117 h0.25 r90
C1033: PIN_NUMBER "2" at 75.785,42.417 h0.25 r270; PIN_NUMBER "1" at 75.785,43.817 h0.25 r270; ASSEMBLY_TOP "22uF" at 75.607,43.117 h0.25 r270
C1034: PIN_NUMBER "2" at 132.997,88.227 h0.25 r180; PIN_NUMBER "1" at 134.397,88.227 h0.25 r180; ASSEMBLY_TOP "22uF" at 133.392,88.1 h0.25 r180
C1035: PIN_NUMBER "2" at 132.997,89.65 h0.25 r180; PIN_NUMBER "1" at 134.397,89.65 h0.25 r180; ASSEMBLY_TOP "22uF" at 133.392,89.523 h0.25 r180
C1036: PIN_NUMBER "2" at 93.536,74.397 h0.2 r270; PIN_NUMBER "1" at 93.536,75.337 h0.2 r270; ASSEMBLY_TOP "10uF" at 93.336,74.867 h0.25 r270
C1037: PIN_NUMBER "2" at 91.44,77.635 h0.2 r180; PIN_NUMBER "1" at 92.38,77.635 h0.2 r180; ASSEMBLY_TOP "10uF" at 91.584,77.508 h0.25 r180
C1038: PIN_NUMBER "2" at 91.059,67.374 h0.2 r180; PIN_NUMBER "1" at 91.999,67.374 h0.2 r180; ASSEMBLY_TOP "4.7uF" at 91.101,67.247 h0.25 r180
C1039: PIN_NUMBER "2" at 92.473,68.31 h0.64; PIN_NUMBER "1" at 92.473,67.809 h0.64 r180; ASSEMBLY_TOP "1uF" at 92.549,68.06 h0.25 r270
C1040: PIN_NUMBER "2" at 93.637,77.516 h0.64 r270; PIN_NUMBER "1" at 93.137,77.516 h0.64 r90; ASSEMBLY_TOP "100nF" at 93.133,77.389 h0.25 r180
C1041: PIN_NUMBER "2" at 93.625,78.143 h0.64 r270; PIN_NUMBER "1" at 93.124,78.143 h0.64 r90; ASSEMBLY_TOP "100nF" at 93.12,78.016 h0.25 r180
C1042: PIN_NUMBER "2" at 93.086,73.622 h0.64 r90; PIN_NUMBER "1" at 93.587,73.622 h0.64 r270; ASSEMBLY_TOP "1uF" at 93.286,73.495 h0.25 r180
C1043: PIN_NUMBER "2" at 98.273,73.8 h0.2; PIN_NUMBER "1" at 97.333,73.8 h0.2; ASSEMBLY_TOP "10uF" at 97.477,73.673 h0.25 r180
C1045: PIN_NUMBER "2" at 130.243,80.799 h0.25 r90; PIN_NUMBER "1" at 130.243,79.399 h0.25 r90; ASSEMBLY_TOP "22uF" at 130.065,80.099 h0.25 r90
C1046: PIN_NUMBER "2" at 128.82,80.799 h0.25 r90; PIN_NUMBER "1" at 128.82,79.399 h0.25 r90; ASSEMBLY_TOP "22uF" at 128.642,80.099 h0.25 r90
C1047: PIN_NUMBER "2" at 98.182,72.61 h0.2; PIN_NUMBER "1" at 97.243,72.61 h0.2; ASSEMBLY_TOP "10uF" at 97.386,72.483 h0.25 r180
C1048: PIN_NUMBER "2" at 95.288,74.132 h0.64; PIN_NUMBER "1" at 95.288,73.632 h0.64 r180; ASSEMBLY_TOP "1uF" at 95.364,73.882 h0.25 r270
C1049: PIN_NUMBER "2" at 96.508,74.132 h0.64; PIN_NUMBER "1" at 96.508,73.632 h0.64 r180; ASSEMBLY_TOP "100nF" at 96.381,73.882 h0.25 r270
C1050: PIN_NUMBER "2" at 95.898,74.132 h0.64; PIN_NUMBER "1" at 95.898,73.632 h0.64 r180; ASSEMBLY_TOP "100nF" at 95.771,73.882 h0.25 r270
C1051: PIN_NUMBER "2" at 91.664,68.929 h0.64 r270; PIN_NUMBER "1" at 91.163,68.929 h0.64 r90; ASSEMBLY_TOP "1uF" at 91.363,68.802 h0.25 r180
C1052: PIN_NUMBER "2" at 95.543,71.039 h0.64 r180; PIN_NUMBER "1" at 95.543,71.539 h0.64; ASSEMBLY_TOP "1uF" at 95.619,71.289 h0.25 r270
C1054: PIN_NUMBER "2" at 91.021,73.469 h0.64 r270; PIN_NUMBER "1" at 90.521,73.469 h0.64 r90; ASSEMBLY_TOP "100nF" at 90.517,73.343 h0.25 r180
C1057: PIN_NUMBER "2" at 88.875,73.763 h0.2 r180; PIN_NUMBER "1" at 89.815,73.763 h0.2 r180; ASSEMBLY_TOP "4.7uF" at 88.917,73.636 h0.25 r180
C1058: PIN_NUMBER "2" at 90.221,75.248 h0.2 r180; PIN_NUMBER "1" at 91.161,75.248 h0.2 r180; ASSEMBLY_TOP "10uF" at 90.365,75.121 h0.25 r180
C1059: PIN_NUMBER "2" at 91.491,71.946 h0.2; PIN_NUMBER "1" at 90.551,71.946 h0.2; ASSEMBLY_TOP "10uF" at 90.695,71.819 h0.25 r180
C1060: PIN_NUMBER "2" at 69.497,92.698 h0.25 r180; PIN_NUMBER "1" at 70.897,92.698 h0.25 r180; ASSEMBLY_TOP "22uF" at 69.892,92.571 h0.25 r180
C1061: PIN_NUMBER "2" at 70.818,91.275 h0.25 r180; PIN_NUMBER "1" at 72.218,91.275 h0.25 r180; ASSEMBLY_TOP "22uF" at 71.213,91.148 h0.25 r180
C1062: PIN_NUMBER "2" at 86.769,89.751 h0.25 r180; PIN_NUMBER "1" at 88.169,89.751 h0.25 r180; ASSEMBLY_TOP "22uF" at 87.164,89.624 h0.25
C1063: PIN_NUMBER "2" at 86.667,92.596 h0.25 r180; PIN_NUMBER "1" at 88.067,92.596 h0.25 r180; ASSEMBLY_TOP "22uF" at 87.063,92.469 h0.25
C1064: PIN_NUMBER "2" at 89.786,79.98 h0.25 r90; PIN_NUMBER "1" at 89.786,78.58 h0.25 r90; ASSEMBLY_TOP "22uF" at 89.608,79.28 h0.25 r270
C1065: PIN_NUMBER "2" at 87.834,78.296 h0.2 r180; PIN_NUMBER "1" at 88.773,78.296 h0.2 r180; ASSEMBLY_TOP "10uF" at 87.977,78.169 h0.25 r180
C1066: PIN_NUMBER "2" at 91.66,76.064 h0.64 r270; PIN_NUMBER "1" at 91.159,76.064 h0.64 r90; ASSEMBLY_TOP "1uF" at 91.359,75.937 h0.25 r180
C1069: PIN_NUMBER "2" at 88.578,76.899 h0.64 r90; PIN_NUMBER "1" at 89.078,76.899 h0.64 r270; ASSEMBLY_TOP "100nF" at 88.574,76.772 h0.25 r180
C1070: PIN_NUMBER "2" at 91.021,72.847 h0.64 r270; PIN_NUMBER "1" at 90.521,72.847 h0.64 r90; ASSEMBLY_TOP "100nF" at 90.517,72.72 h0.25 r180
C1071: PIN_NUMBER "2" at 91.635,75.422 h0.64; PIN_NUMBER "1" at 91.635,74.921 h0.64 r180; ASSEMBLY_TOP "1uF" at 91.711,75.172 h0.25 r270
C1072: PIN_NUMBER "2" at 89.2,77.534 h0.64 r90; PIN_NUMBER "1" at 89.7,77.534 h0.64 r270; ASSEMBLY_TOP "1uF" at 89.399,77.407 h0.25 r180
C1073: PIN_NUMBER "2" at 89.2,76.264 h0.64 r90; PIN_NUMBER "1" at 89.7,76.264 h0.64 r270; ASSEMBLY_TOP "100nF" at 89.196,76.137 h0.25 r180
C1080: PIN_NUMBER "2" at 86.047,42.29 h0.25 r270; PIN_NUMBER "1" at 86.047,43.69 h0.25 r270; ASSEMBLY_TOP "22uF" at 85.869,42.99 h0.25 r90
C1081: PIN_NUMBER "2" at 74.261,42.417 h0.25 r270; PIN_NUMBER "1" at 74.261,43.817 h0.25 r270; ASSEMBLY_TOP "22uF" at 74.083,43.117 h0.25 r90
C1082: PIN_NUMBER "2" at 130.841,111.189 h0.25; PIN_NUMBER "1" at 129.441,111.189 h0.25; ASSEMBLY_TOP "22uF" at 129.836,111.062 h0.25
C1083: PIN_NUMBER "2" at 91.656,68.314 h0.64 r270; PIN_NUMBER "1" at 91.156,68.314 h0.64 r90; ASSEMBLY_TOP "100nF" at 90.39,67.996 h0.64 r180
C1085: PIN_NUMBER "2" at 105.236,89.433 h0.25 r45; PIN_NUMBER "1" at 104.246,88.443 h0.25 r45; ASSEMBLY_TOP "22uF" at 104.436,88.811 h0.25 r180
C1086: PIN_NUMBER "2" at 86.769,91.174 h0.25 r180; PIN_NUMBER "1" at 88.169,91.174 h0.25 r180; ASSEMBLY_TOP "22uF" at 87.164,91.047 h0.25
C1100: PIN_NUMBER "2" at 83.202,69.275 h0.64; PIN_NUMBER "1" at 83.202,68.775 h0.64 r180; ASSEMBLY_TOP "100nF" at 83.075,69.025 h0.25 r270
C1101: PIN_NUMBER "2" at 74.522,73.216 h0.25 r180; PIN_NUMBER "1" at 75.422,73.216 h0.25 r180; ASSEMBLY_TOP "18pF" at 74.667,73.089 h0.25
C1102: PIN_NUMBER "2" at 72.559,70.999 h0.25 r90; PIN_NUMBER "1" at 72.559,70.099 h0.25 r90; ASSEMBLY_TOP "18pF" at 72.381,70.549 h0.25 r90
C1103: PIN_NUMBER "2" at 87.77,68.898 h0.64 r270; PIN_NUMBER "1" at 87.27,68.898 h0.64 r90; ASSEMBLY_TOP "1uF" at 87.469,68.771 h0.25 r180
C1104: PIN_NUMBER "2" at 144.674,89.142 h0.64 r270; PIN_NUMBER "1" at 145.174,89.142 h0.64 r90; ASSEMBLY_TOP "100nF" at 144.67,89.015 h0.25
C1105: PIN_NUMBER "2" at 154.779,107.985 h0.64 r180; PIN_NUMBER "1" at 154.779,107.484 h0.64; ASSEMBLY_TOP "1uF" at 154.855,107.734 h0.25 r90
C1106: PIN_NUMBER "2" at 91.94,73.926 h0.64 r45; PIN_NUMBER "1" at 92.294,73.572 h0.64 r225; ASSEMBLY_TOP "100nF" at 91.863,73.622 h0.25 r180
C1107: PIN_NUMBER "2" at 85.147,70.84 h0.64 r45; PIN_NUMBER "1" at 85.501,70.486 h0.64 r225; ASSEMBLY_TOP "100nF" at 85.07,70.536 h0.25 r180
C1109: PIN_NUMBER "2" at 92.042,71.896 h0.64 r135; PIN_NUMBER "1" at 92.396,72.25 h0.64 r315; ASSEMBLY_TOP "100nF" at 91.965,71.945 h0.25 r180
C1110: PIN_NUMBER "2" at 86.505,71.564 h0.64 r45; PIN_NUMBER "1" at 86.859,71.21 h0.64 r225; ASSEMBLY_TOP "100nF" at 86.427,71.26 h0.25 r180
C1111: PIN_NUMBER "2" at 85.998,70.862 h0.64 r45; PIN_NUMBER "1" at 86.352,70.508 h0.64 r225; ASSEMBLY_TOP "1uF" at 86.124,70.558 h0.25 r180
C1112: PIN_NUMBER "2" at 88.179,71.945 h0.64 r315; PIN_NUMBER "1" at 87.825,71.591 h0.64 r135; ASSEMBLY_TOP "100nF" at 87.748,71.641 h0.25 r180
C1113: PIN_NUMBER "2" at 87.762,70.631 h0.64 r270; PIN_NUMBER "1" at 87.262,70.631 h0.64 r90; ASSEMBLY_TOP "100nF" at 87.258,70.504 h0.25 r180
C1200: PIN_NUMBER "2" at 101.096,71.891 h0.2; PIN_NUMBER "1" at 100.156,71.891 h0.2; ASSEMBLY_TOP "10uF" at 100.3,71.764 h0.25 r180
C1201: PIN_NUMBER "2" at 96.381,66.485 h0.64 r180; PIN_NUMBER "1" at 96.381,66.985 h0.64; ASSEMBLY_TOP "1uF" at 96.457,66.735 h0.25 r270
C1202: PIN_NUMBER "2" at 97.6,66.485 h0.64 r180; PIN_NUMBER "1" at 97.6,66.985 h0.64; ASSEMBLY_TOP "1uF" at 97.676,66.735 h0.25 r270
C1203: PIN_NUMBER "2" at 98.235,66.485 h0.64 r180; PIN_NUMBER "1" at 98.235,66.985 h0.64; ASSEMBLY_TOP "100nF" at 98.108,66.735 h0.25 r270
C1204: PIN_NUMBER "2" at 96.99,66.485 h0.64 r180; PIN_NUMBER "1" at 96.99,66.985 h0.64; ASSEMBLY_TOP "100nF" at 96.863,66.735 h0.25 r270
C1205: PIN_NUMBER "2" at 99.453,67.649 h0.64 r270; PIN_NUMBER "1" at 98.953,67.649 h0.64 r90; ASSEMBLY_TOP "100nF" at 98.949,67.523 h0.25 r180
C1206: PIN_NUMBER "2" at 98.34,68.234 h0.64; PIN_NUMBER "1" at 98.34,67.733 h0.64 r180; ASSEMBLY_TOP "1uF" at 98.416,67.983 h0.25 r270
C1207: PIN_NUMBER "2" at 100.142,68.589 h0.2; PIN_NUMBER "1" at 99.202,68.589 h0.2; ASSEMBLY_TOP "10uF" at 99.345,68.462 h0.25 r180
C1208: PIN_NUMBER "2" at 99.453,70.382 h0.64 r270; PIN_NUMBER "1" at 98.953,70.382 h0.64 r90; ASSEMBLY_TOP "1uF" at 99.152,70.255 h0.25 r180
C1209: PIN_NUMBER "2" at 98.951,65.852 h0.64 r180; PIN_NUMBER "1" at 98.951,66.352 h0.64; ASSEMBLY_TOP "1uF" at 99.027,66.102 h0.25 r270
C1210: PIN_NUMBER "2" at 99.453,70.984 h0.64 r270; PIN_NUMBER "1" at 98.953,70.984 h0.64 r90; ASSEMBLY_TOP "100nF" at 98.949,70.857 h0.25 r180
C1211: PIN_NUMBER "2" at 99.553,65.834 h0.64 r180; PIN_NUMBER "1" at 99.553,66.335 h0.64; ASSEMBLY_TOP "100nF" at 99.427,66.084 h0.25 r270
C1212: PIN_NUMBER "2" at 99.44,67.047 h0.64 r270; PIN_NUMBER "1" at 98.94,67.047 h0.64 r90; ASSEMBLY_TOP "100nF" at 98.936,66.921 h0.25 r180
C1213: PIN_NUMBER "2" at 95.067,68.926 h0.64 r90; PIN_NUMBER "1" at 95.568,68.926 h0.64 r270; ASSEMBLY_TOP "1uF" at 95.267,68.799 h0.25 r180
C1214: PIN_NUMBER "2" at 93.112,67.152 h0.64 r90; PIN_NUMBER "1" at 93.612,67.152 h0.64 r270; ASSEMBLY_TOP "1uF" at 93.311,67.025 h0.25 r180
C1215: PIN_NUMBER "2" at 94.407,68.908 h0.64; PIN_NUMBER "1" at 94.407,68.408 h0.64 r180; ASSEMBLY_TOP "1uF" at 94.483,68.658 h0.25 r270
C1216: PIN_NUMBER "2" at 98.983,69.721 h0.64 r90; PIN_NUMBER "1" at 99.483,69.721 h0.64 r270; ASSEMBLY_TOP "1uF" at 99.182,69.594 h0.25 r180
C1217: PIN_NUMBER "2" at 95.724,69.605 h0.64 r90; PIN_NUMBER "1" at 96.224,69.605 h0.64 r270; ASSEMBLY_TOP "1uF" at 95.923,69.478 h0.25 r180
C1218: PIN_NUMBER "2" at 97.538,69.727 h0.64 r270; PIN_NUMBER "1" at 97.037,69.727 h0.64 r90; ASSEMBLY_TOP "1uF" at 97.237,69.6 h0.25 r180
C1219: PIN_NUMBER "2" at 96.867,65.846 h0.64 r270; PIN_NUMBER "1" at 96.366,65.846 h0.64 r90; ASSEMBLY_TOP "1uF" at 96.566,65.719 h0.25 r180
C1220: PIN_NUMBER "2" at 97.444,70.452 h0.2 r270; PIN_NUMBER "1" at 97.444,71.392 h0.2 r270; ASSEMBLY_TOP "10uF" at 97.244,70.922 h0.25 r270
C1221: PIN_NUMBER "2" at 95.441,66.142 h0.2 r270; PIN_NUMBER "1" at 95.441,67.082 h0.2 r270; ASSEMBLY_TOP "4.7uF" at 95.14,66.612 h0.25 r270
C1223: PIN_NUMBER "2" at 96.388,71.539 h0.64; PIN_NUMBER "1" at 96.388,71.039 h0.64 r180; ASSEMBLY_TOP "100nF" at 96.261,71.289 h0.25 r270
C1224: PIN_NUMBER "2" at 95.067,67.726 h0.64 r90; PIN_NUMBER "1" at 95.568,67.726 h0.64 r270; ASSEMBLY_TOP "1uF" at 95.267,67.599 h0.25 r180
C1225: PIN_NUMBER "2" at 95.724,70.215 h0.64 r90; PIN_NUMBER "1" at 96.224,70.215 h0.64 r270; ASSEMBLY_TOP "100nF" at 95.72,70.088 h0.25 r180
C1226: PIN_NUMBER "2" at 99.098,72.746 h0.2 r90; PIN_NUMBER "1" at 99.098,71.806 h0.2 r90; ASSEMBLY_TOP "10uF" at 98.899,72.276 h0.25 r270
C1227: PIN_NUMBER "2" at 97.626,68.678 h0.2; PIN_NUMBER "1" at 96.687,68.678 h0.2; ASSEMBLY_TOP "4.7uF" at 96.729,68.551 h0.25 r180
C1228: PIN_NUMBER "2" at 93.112,67.788 h0.64 r90; PIN_NUMBER "1" at 93.612,67.788 h0.64 r270; ASSEMBLY_TOP "1uF" at 93.311,67.661 h0.25 r180
C1229: PIN_NUMBER "2" at 98.022,71.033 h0.64 r180; PIN_NUMBER "1" at 98.022,71.534 h0.64; ASSEMBLY_TOP "100nF" at 97.895,71.283 h0.25 r270
C1231: PIN_NUMBER "2" at 95.067,68.326 h0.64 r90; PIN_NUMBER "1" at 95.568,68.326 h0.64 r270; ASSEMBLY_TOP "100nF" at 95.064,68.199 h0.25 r180
C1232: PIN_NUMBER "2" at 111.737,56.198 h0.25 r180; PIN_NUMBER "1" at 113.137,56.198 h0.25 r180; ASSEMBLY_TOP "10uF" at 112.132,56.071 h0.25 r180
C1300: PIN_NUMBER "2" at 87.594,72.071 h0.2 r315; PIN_NUMBER "1" at 86.93,72.735 h0.2 r315; ASSEMBLY_TOP "1uF" at 87.037,72.276 h0.25 r180
C1301: PIN_NUMBER "2" at 100.762,74.524 h0.64 r270; PIN_NUMBER "1" at 100.262,74.524 h0.64 r90; ASSEMBLY_TOP "100nF" at 100.258,74.397 h0.25 r180
C1302: PIN_NUMBER "2" at 100.761,73.88 h0.64 r270; PIN_NUMBER "1" at 100.26,73.88 h0.64 r90; ASSEMBLY_TOP "100nF" at 100.256,73.753 h0.25 r180
C1404: PIN_NUMBER "2" at 95.064,80.622 h0.64 r90; PIN_NUMBER "1" at 95.564,80.622 h0.64 r270; ASSEMBLY_TOP "100nF" at 95.059,80.495 h0.25 r180
C1405: PIN_NUMBER "2" at 95.064,80.022 h0.64 r90; PIN_NUMBER "1" at 95.564,80.022 h0.64 r270; ASSEMBLY_TOP "1uF" at 95.263,79.895 h0.25 r180
C1406: PIN_NUMBER "2" at 95.064,78.809 h0.64 r90; PIN_NUMBER "1" at 95.564,78.809 h0.64 r270; ASSEMBLY_TOP "100nF" at 95.059,78.682 h0.25 r180
C1407: PIN_NUMBER "2" at 95.064,79.409 h0.64 r90; PIN_NUMBER "1" at 95.564,79.409 h0.64 r270; ASSEMBLY_TOP "1uF" at 95.263,79.282 h0.25 r180
C1408: PIN_NUMBER "2" at 105.219,124.164 h0.64 r180; PIN_NUMBER "1" at 105.219,123.664 h0.64; ASSEMBLY_TOP "100nF" at 105.093,123.914 h0.25 r90
C1409: PIN_NUMBER "2" at 105.849,124.164 h0.64 r180; PIN_NUMBER "1" at 105.849,123.664 h0.64; ASSEMBLY_TOP "100nF" at 105.722,123.914 h0.25 r90
C1410: PIN_NUMBER "2" at 106.256,125.714 h0.64 r180; PIN_NUMBER "1" at 106.256,125.213 h0.64; ASSEMBLY_TOP "100nF" at 106.129,125.464 h0.25 r90
C1411: PIN_NUMBER "2" at 106.886,125.714 h0.64 r180; PIN_NUMBER "1" at 106.886,125.213 h0.64; ASSEMBLY_TOP "100nF" at 106.759,125.464 h0.25 r90
C1412: PIN_NUMBER "2" at 98.423,78.834 h0.64 r180; PIN_NUMBER "1" at 98.423,79.335 h0.64; ASSEMBLY_TOP "100nF" at 98.296,79.084 h0.25 r270
C1413: PIN_NUMBER "1" at 107.411,123.702 h0.64; PIN_NUMBER "2" at 107.411,124.202 h0.64 r180; ASSEMBLY_TOP "100nF" at 107.284,123.952 h0.25 r90
C1414: PIN_NUMBER "1" at 108.041,123.702 h0.64; PIN_NUMBER "2" at 108.041,124.202 h0.64 r180; ASSEMBLY_TOP "100nF" at 107.914,123.952 h0.25 r90
C1415: PIN_NUMBER "2" at 108.417,125.714 h0.64 r180; PIN_NUMBER "1" at 108.417,125.213 h0.64; ASSEMBLY_TOP "100nF" at 108.29,125.464 h0.25 r90
C1416: PIN_NUMBER "2" at 109.052,125.714 h0.64 r180; PIN_NUMBER "1" at 109.052,125.213 h0.64; ASSEMBLY_TOP "100nF" at 108.925,125.464 h0.25 r90